# Altium PCB AD9361_EXT.PcbDoc (part 6 of 9) (continued)
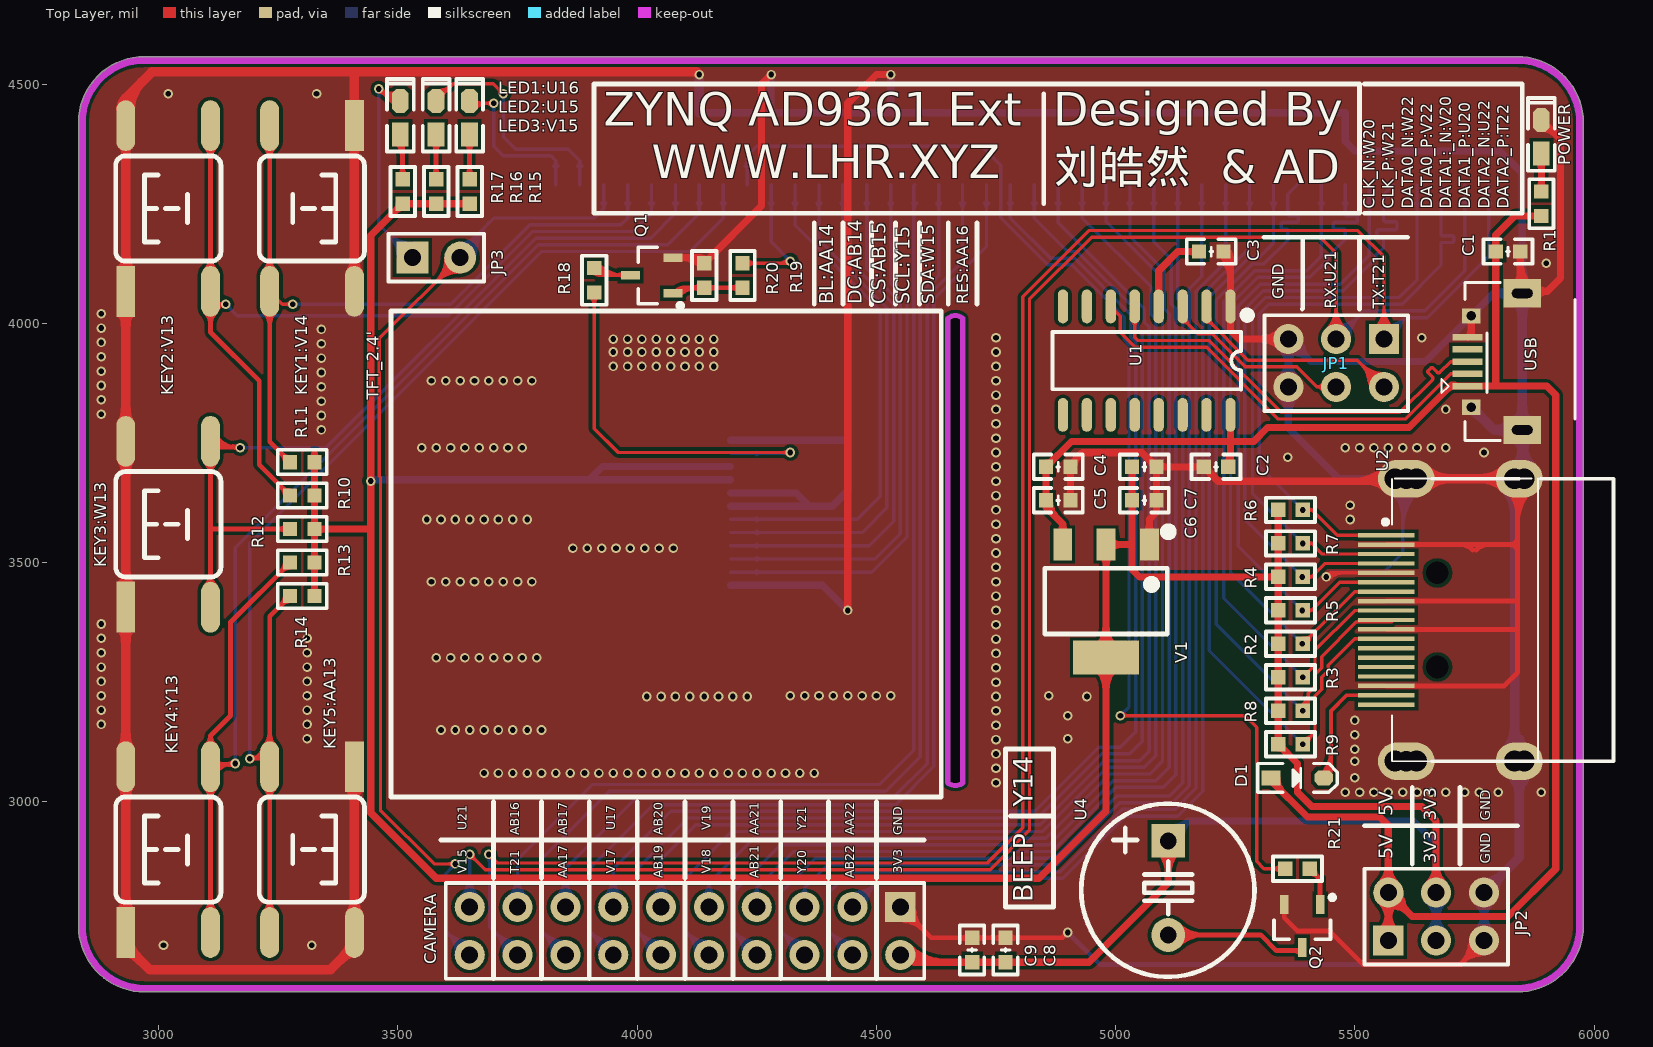
[diagram p0: Top Layer view]
## Nets (pads, with @x,y where several pads share a name; then routed paths per layer and width w, separated by ;. In a path a pad name is that pad's centre, name@x,y a point inside that pad or via, vN(x,y) a via of type N, cw(c..) or ccw(c..) an arc to the next point about the centre after c; other vN are vias at no path point) (continued)
IO_2: CAMERA.4 P1.58 | length 3348.5
  Bottom Layer w7: CAMERA.4@4450,2680 4400,2730 4400,2810 4444,2854 4884.2,2854 5014.2,2984 5124.2,2984 5168,3027.8 5168,4066.19 5230,4128.19 P1.58@5230,4290 ; 4402.21,2727.79 cw(c4354.42,2680) CAMERA.4@4422,2680 ; 4402.21,2727.79 ccw(c4450,2775.58) CAMERA.4@4450,2708 ; 4402.21,2727.79 cw(c4354.42,2680) CAMERA.4@4422,2680 ; 4402.21,2727.79 ccw(c4450,2775.58) CAMERA.4@4450,2708 ; 4402.21,2727.79 cw(c4354.42,2680) CAMERA.4@4422,2680 ; 4402.21,2727.79 ccw(c4450,2775.58) CAMERA.4@4450,2708 ; 4402.21,2727.79 cw(c4354.42,2680) CAMERA.4@4422,2680 ; 4402.21,2727.79 ccw(c4450,2775.58) CAMERA.4@4450,2708 ; 4414.16,2715.84 cw(c4378.32,2680) CAMERA.4@4429,2680 ; 4414.16,2715.84 ccw(c4450,2751.68) CAMERA.4@4450,2701 ; 4414.16,2715.84 cw(c4378.32,2680) CAMERA.4@4429,2680 ; 4414.16,2715.84 ccw(c4450,2751.68) CAMERA.4@4450,2701 ; 4414.16,2715.84 cw(c4378.32,2680) CAMERA.4@4429,2680 ; 4414.16,2715.84 ccw(c4450,2751.68) CAMERA.4@4450,2701 ; 4414.16,2715.84 cw(c4378.32,2680) CAMERA.4@4429,2680 ; 4414.16,2715.84 ccw(c4450,2751.68) CAMERA.4@4450,2701 ; 4426.11,2703.89 cw(c4402.21,2680) CAMERA.4@4436,2680 ; 4426.11,2703.89 ccw(c4450,2727.79) CAMERA.4@4450,2694 ; 4426.11,2703.89 cw(c4402.21,2680) CAMERA.4@4436,2680 ; 4426.11,2703.89 ccw(c4450,2727.79) CAMERA.4@4450,2694 ; 4426.11,2703.89 cw(c4402.21,2680) CAMERA.4@4436,2680 ; 4426.11,2703.89 ccw(c4450,2727.79) CAMERA.4@4450,2694 ; 4426.11,2703.89 cw(c4402.21,2680) CAMERA.4@4436,2680 ; 4426.11,2703.89 ccw(c4450,2727.79) CAMERA.4@4450,2694 ; P1.58@5225.52,4251.66 cw(c5214.69,4240.83) 5230,4240.83 ; P1.58@5225.52,4251.66 cw(c5214.69,4240.83) 5230,4240.83 ; P1.58@5225.52,4251.66 cw(c5214.69,4240.83) 5230,4240.83 ; P1.58@5225.52,4251.66 cw(c5214.69,4240.83) 5230,4240.83 ; 5230,4240.83 cw(c5245.31,4240.83) P1.58@5234.48,4251.66 ; 5230,4240.83 cw(c5245.31,4240.83) P1.58@5234.48,4251.66 ; 5230,4240.83 cw(c5245.31,4240.83) P1.58@5234.48,4251.66 ; 5230,4240.83 cw(c5245.31,4240.83) P1.58@5234.48,4251.66
IO_3: CAMERA.5 P1.56 | length 2438.3
  Bottom Layer w7: CAMERA.5@4350,2780 4350,2820 ; P1.56@5180,4290 5180,4097.99 5154,4071.99 5154,3033.6 5118.4,2998 5008.4,2998 4878.4,2868 4398,2868 4350,2820 ; CAMERA.5@4340.41,2806.3 ccw(c4335.42,2820) 4350,2820 ; CAMERA.5@4340.41,2806.3 ccw(c4335.42,2820) 4350,2820 ; CAMERA.5@4340.41,2806.3 ccw(c4335.42,2820) 4350,2820 ; CAMERA.5@4340.41,2806.3 ccw(c4335.42,2820) 4350,2820 ; 4350,2820 ccw(c4364.58,2820) CAMERA.5@4359.59,2806.3 ; 4350,2820 ccw(c4364.58,2820) CAMERA.5@4359.59,2806.3 ; 4350,2820 ccw(c4364.58,2820) CAMERA.5@4359.59,2806.3 ; 4350,2820 ccw(c4364.58,2820) CAMERA.5@4359.59,2806.3 ; P1.56@5175.52,4251.66 cw(c5164.69,4240.83) 5180,4240.83 ; P1.56@5175.52,4251.66 cw(c5164.69,4240.83) 5180,4240.83 ; P1.56@5175.52,4251.66 cw(c5164.69,4240.83) 5180,4240.83 ; P1.56@5175.52,4251.66 cw(c5164.69,4240.83) 5180,4240.83 ; 5180,4240.83 cw(c5195.31,4240.83) P1.56@5184.48,4251.66 ; 5180,4240.83 cw(c5195.31,4240.83) P1.56@5184.48,4251.66 ; 5180,4240.83 cw(c5195.31,4240.83) P1.56@5184.48,4251.66 ; 5180,4240.83 cw(c5195.31,4240.83) P1.56@5184.48,4251.66
IO_4: CAMERA.6 P1.54 | length 3391.8
  Bottom Layer w7: CAMERA.6@4350,2680 4300,2730 4300,2810 4372,2882 4872.6,2882 5002.6,3012 5112,3012 5140,3040 5140,4040 5130,4050 P1.54@5130,4290 ; 4302.21,2727.79 cw(c4254.42,2680) CAMERA.6@4322,2680 ; 4302.21,2727.79 ccw(c4350,2775.58) CAMERA.6@4350,2708 ; 4302.21,2727.79 cw(c4254.42,2680) CAMERA.6@4322,2680 ; 4302.21,2727.79 ccw(c4350,2775.58) CAMERA.6@4350,2708 ; 4302.21,2727.79 cw(c4254.42,2680) CAMERA.6@4322,2680 ; 4302.21,2727.79 ccw(c4350,2775.58) CAMERA.6@4350,2708 ; 4302.21,2727.79 cw(c4254.42,2680) CAMERA.6@4322,2680 ; 4302.21,2727.79 ccw(c4350,2775.58) CAMERA.6@4350,2708 ; 4314.16,2715.84 cw(c4278.32,2680) CAMERA.6@4329,2680 ; 4314.16,2715.84 ccw(c4350,2751.68) CAMERA.6@4350,2701 ; 4314.16,2715.84 cw(c4278.32,2680) CAMERA.6@4329,2680 ; 4314.16,2715.84 ccw(c4350,2751.68) CAMERA.6@4350,2701 ; 4314.16,2715.84 cw(c4278.32,2680) CAMERA.6@4329,2680 ; 4314.16,2715.84 ccw(c4350,2751.68) CAMERA.6@4350,2701 ; 4314.16,2715.84 cw(c4278.32,2680) CAMERA.6@4329,2680 ; 4314.16,2715.84 ccw(c4350,2751.68) CAMERA.6@4350,2701 ; 4326.11,2703.89 cw(c4302.21,2680) CAMERA.6@4336,2680 ; 4326.11,2703.89 ccw(c4350,2727.79) CAMERA.6@4350,2694 ; 4326.11,2703.89 cw(c4302.21,2680) CAMERA.6@4336,2680 ; 4326.11,2703.89 ccw(c4350,2727.79) CAMERA.6@4350,2694 ; 4326.11,2703.89 cw(c4302.21,2680) CAMERA.6@4336,2680 ; 4326.11,2703.89 ccw(c4350,2727.79) CAMERA.6@4350,2694 ; 4326.11,2703.89 cw(c4302.21,2680) CAMERA.6@4336,2680 ; 4326.11,2703.89 ccw(c4350,2727.79) CAMERA.6@4350,2694 ; P1.54@5125.52,4251.66 cw(c5114.69,4240.83) 5130,4240.83 ; P1.54@5125.52,4251.66 cw(c5114.69,4240.83) 5130,4240.83 ; P1.54@5125.52,4251.66 cw(c5114.69,4240.83) 5130,4240.83 ; P1.54@5125.52,4251.66 cw(c5114.69,4240.83) 5130,4240.83 ; 5130,4240.83 cw(c5145.31,4240.83) P1.54@5134.48,4251.66 ; 5130,4240.83 cw(c5145.31,4240.83) P1.54@5134.48,4251.66 ; 5130,4240.83 cw(c5145.31,4240.83) P1.54@5134.48,4251.66 ; 5130,4240.83 cw(c5145.31,4240.83) P1.54@5134.48,4251.66
IO_5: CAMERA.7 P1.52 | length 2505.4
  Bottom Layer w7: CAMERA.7@4250,2780 4250,2820 ; P1.52@5080,4290 5080,4170 5116,4134 5116,4040 5126,4030 5126,3056 5100,3030 5000.8,3030 4866.8,2896 4326,2896 4250,2820 ; CAMERA.7@4240.41,2806.3 ccw(c4235.42,2820) 4250,2820 ; CAMERA.7@4240.41,2806.3 ccw(c4235.42,2820) 4250,2820 ; CAMERA.7@4240.41,2806.3 ccw(c4235.42,2820) 4250,2820 ; CAMERA.7@4240.41,2806.3 ccw(c4235.42,2820) 4250,2820 ; 4250,2820 ccw(c4264.58,2820) CAMERA.7@4259.59,2806.3 ; 4250,2820 ccw(c4264.58,2820) CAMERA.7@4259.59,2806.3 ; 4250,2820 ccw(c4264.58,2820) CAMERA.7@4259.59,2806.3 ; 4250,2820 ccw(c4264.58,2820) CAMERA.7@4259.59,2806.3 ; P1.52@5075.52,4251.66 cw(c5064.69,4240.83) 5080,4240.83 ; P1.52@5075.52,4251.66 cw(c5064.69,4240.83) 5080,4240.83 ; P1.52@5075.52,4251.66 cw(c5064.69,4240.83) 5080,4240.83 ; P1.52@5075.52,4251.66 cw(c5064.69,4240.83) 5080,4240.83 ; 5080,4240.83 cw(c5095.31,4240.83) P1.52@5084.48,4251.66 ; 5080,4240.83 cw(c5095.31,4240.83) P1.52@5084.48,4251.66 ; 5080,4240.83 cw(c5095.31,4240.83) P1.52@5084.48,4251.66 ; 5080,4240.83 cw(c5095.31,4240.83) P1.52@5084.48,4251.66
IO_6: CAMERA.8 P1.50 | length 3474.9
  Bottom Layer w7: CAMERA.8@4250,2680 4200,2730 4200,2810 4300,2910 4861.01,2910 4995.01,3044 5084,3044 5112,3072 5112,4020 5102,4030 5102,4110 5030,4182 P1.50@5030,4290 ; 4202.21,2727.79 cw(c4154.42,2680) CAMERA.8@4222,2680 ; 4202.21,2727.79 ccw(c4250,2775.58) CAMERA.8@4250,2708 ; 4202.21,2727.79 cw(c4154.42,2680) CAMERA.8@4222,2680 ; 4202.21,2727.79 ccw(c4250,2775.58) CAMERA.8@4250,2708 ; 4202.21,2727.79 cw(c4154.42,2680) CAMERA.8@4222,2680 ; 4202.21,2727.79 ccw(c4250,2775.58) CAMERA.8@4250,2708 ; 4202.21,2727.79 cw(c4154.42,2680) CAMERA.8@4222,2680 ; 4202.21,2727.79 ccw(c4250,2775.58) CAMERA.8@4250,2708 ; 4214.16,2715.84 cw(c4178.32,2680) CAMERA.8@4229,2680 ; 4214.16,2715.84 ccw(c4250,2751.68) CAMERA.8@4250,2701 ; 4214.16,2715.84 cw(c4178.32,2680) CAMERA.8@4229,2680 ; 4214.16,2715.84 ccw(c4250,2751.68) CAMERA.8@4250,2701 ; 4214.16,2715.84 cw(c4178.32,2680) CAMERA.8@4229,2680 ; 4214.16,2715.84 ccw(c4250,2751.68) CAMERA.8@4250,2701 ; 4214.16,2715.84 cw(c4178.32,2680) CAMERA.8@4229,2680 ; 4214.16,2715.84 ccw(c4250,2751.68) CAMERA.8@4250,2701 ; 4226.11,2703.89 cw(c4202.21,2680) CAMERA.8@4236,2680 ; 4226.11,2703.89 ccw(c4250,2727.79) CAMERA.8@4250,2694 ; 4226.11,2703.89 cw(c4202.21,2680) CAMERA.8@4236,2680 ; 4226.11,2703.89 ccw(c4250,2727.79) CAMERA.8@4250,2694 ; 4226.11,2703.89 cw(c4202.21,2680) CAMERA.8@4236,2680 ; 4226.11,2703.89 ccw(c4250,2727.79) CAMERA.8@4250,2694 ; 4226.11,2703.89 cw(c4202.21,2680) CAMERA.8@4236,2680 ; 4226.11,2703.89 ccw(c4250,2727.79) CAMERA.8@4250,2694 ; P1.50@5025.52,4251.66 cw(c5014.69,4240.83) 5030,4240.83 ; P1.50@5025.52,4251.66 cw(c5014.69,4240.83) 5030,4240.83 ; P1.50@5025.52,4251.66 cw(c5014.69,4240.83) 5030,4240.83 ; P1.50@5025.52,4251.66 cw(c5014.69,4240.83) 5030,4240.83 ; 5030,4240.83 cw(c5045.31,4240.83) P1.50@5034.48,4251.66 ; 5030,4240.83 cw(c5045.31,4240.83) P1.50@5034.48,4251.66 ; 5030,4240.83 cw(c5045.31,4240.83) P1.50@5034.48,4251.66 ; 5030,4240.83 cw(c5045.31,4240.83) P1.50@5034.48,4251.66
IO_7: CAMERA.9 P1.48 | length 2891.9
  Bottom Layer w7: CAMERA.9@4150,2780 4150,2830 ; P1.48@4980,4290 4980,4212.2 5088,4104.2 5088,4024.2 5098,4014.2 5098,3084.72 5071.28,3058 4988,3058 4854,2924 4244,2924 4150,2830 ; CAMERA.9@4135.37,2803.87 ccw(c4119.35,2830) 4150,2830 ; CAMERA.9@4135.37,2803.87 ccw(c4119.35,2830) 4150,2830 ; CAMERA.9@4135.37,2803.87 ccw(c4119.35,2830) 4150,2830 ; CAMERA.9@4135.37,2803.87 ccw(c4119.35,2830) 4150,2830 ; CAMERA.9@4139.03,2797.9 ccw(c4127.02,2817.5) 4150,2817.5 ; CAMERA.9@4139.03,2797.9 ccw(c4127.02,2817.5) 4150,2817.5 ; CAMERA.9@4139.03,2797.9 ccw(c4127.02,2817.5) 4150,2817.5 ; CAMERA.9@4139.03,2797.9 ccw(c4127.02,2817.5) 4150,2817.5 ; 4150,2817.5 ccw(c4172.98,2817.5) CAMERA.9@4160.97,2797.9 ; 4150,2817.5 ccw(c4172.98,2817.5) CAMERA.9@4160.97,2797.9 ; 4150,2817.5 ccw(c4172.98,2817.5) CAMERA.9@4160.97,2797.9 ; 4150,2817.5 ccw(c4172.98,2817.5) CAMERA.9@4160.97,2797.9 ; 4150,2830 ccw(c4180.65,2830) CAMERA.9@4164.63,2803.87 ; 4150,2830 ccw(c4180.65,2830) CAMERA.9@4164.63,2803.87 ; 4150,2830 ccw(c4180.65,2830) CAMERA.9@4164.63,2803.87 ; 4150,2830 ccw(c4180.65,2830) CAMERA.9@4164.63,2803.87 ; P1.48@4975.52,4251.66 cw(c4964.69,4240.83) 4980,4240.83 ; P1.48@4975.52,4251.66 cw(c4964.69,4240.83) 4980,4240.83 ; P1.48@4975.52,4251.66 cw(c4964.69,4240.83) 4980,4240.83 ; P1.48@4975.52,4251.66 cw(c4964.69,4240.83) 4980,4240.83 ; 4980,4240.83 cw(c4995.31,4240.83) P1.48@4984.48,4251.66 ; 4980,4240.83 cw(c4995.31,4240.83) P1.48@4984.48,4251.66 ; 4980,4240.83 cw(c4995.31,4240.83) P1.48@4984.48,4251.66 ; 4980,4240.83 cw(c4995.31,4240.83) P1.48@4984.48,4251.66
IO_8: CAMERA.10 P1.46 | length 3580.2
  Bottom Layer w7: CAMERA.10@4150,2680 4100,2730 4100,2840 4198,2938 4848.2,2938 4982.2,3072 5060,3072 5084,3096 5084,4008.4 5074,4018.4 5074,4076 4930,4220 P1.46@4930,4290 ; 4102.21,2727.79 cw(c4054.42,2680) CAMERA.10@4122,2680 ; 4102.21,2727.79 ccw(c4150,2775.58) CAMERA.10@4150,2708 ; 4102.21,2727.79 cw(c4054.42,2680) CAMERA.10@4122,2680 ; 4102.21,2727.79 ccw(c4150,2775.58) CAMERA.10@4150,2708 ; 4102.21,2727.79 cw(c4054.42,2680) CAMERA.10@4122,2680 ; 4102.21,2727.79 ccw(c4150,2775.58) CAMERA.10@4150,2708 ; 4102.21,2727.79 cw(c4054.42,2680) CAMERA.10@4122,2680 ; 4102.21,2727.79 ccw(c4150,2775.58) CAMERA.10@4150,2708 ; 4114.16,2715.84 cw(c4078.32,2680) CAMERA.10@4129,2680 ; 4114.16,2715.84 ccw(c4150,2751.68) CAMERA.10@4150,2701 ; 4114.16,2715.84 cw(c4078.32,2680) CAMERA.10@4129,2680 ; 4114.16,2715.84 ccw(c4150,2751.68) CAMERA.10@4150,2701 ; 4114.16,2715.84 cw(c4078.32,2680) CAMERA.10@4129,2680 ; 4114.16,2715.84 ccw(c4150,2751.68) CAMERA.10@4150,2701 ; 4114.16,2715.84 cw(c4078.32,2680) CAMERA.10@4129,2680 ; 4114.16,2715.84 ccw(c4150,2751.68) CAMERA.10@4150,2701 ; 4126.11,2703.89 cw(c4102.21,2680) CAMERA.10@4136,2680 ; 4126.11,2703.89 ccw(c4150,2727.79) CAMERA.10@4150,2694 ; 4126.11,2703.89 cw(c4102.21,2680) CAMERA.10@4136,2680 ; 4126.11,2703.89 ccw(c4150,2727.79) CAMERA.10@4150,2694 ; 4126.11,2703.89 cw(c4102.21,2680) CAMERA.10@4136,2680 ; 4126.11,2703.89 ccw(c4150,2727.79) CAMERA.10@4150,2694 ; 4126.11,2703.89 cw(c4102.21,2680) CAMERA.10@4136,2680 ; 4126.11,2703.89 ccw(c4150,2727.79) CAMERA.10@4150,2694 ; P1.46@4925.52,4251.66 cw(c4914.69,4240.83) 4930,4240.83 ; P1.46@4925.52,4251.66 cw(c4914.69,4240.83) 4930,4240.83 ; P1.46@4925.52,4251.66 cw(c4914.69,4240.83) 4930,4240.83 ; P1.46@4925.52,4251.66 cw(c4914.69,4240.83) 4930,4240.83 ; 4930,4240.83 cw(c4945.31,4240.83) P1.46@4934.48,4251.66 ; 4930,4240.83 cw(c4945.31,4240.83) P1.46@4934.48,4251.66 ; 4930,4240.83 cw(c4945.31,4240.83) P1.46@4934.48,4251.66 ; 4930,4240.83 cw(c4945.31,4240.83) P1.46@4934.48,4251.66
IO_9: CAMERA.11 P1.44 | length 3528
  Bottom Layer w7: CAMERA.11@4050,2780 4050,2880 4122,2952 4842.4,2952 4976.4,3086 5050,3086 5070,3106 5070,3992.6 5060,4002.6 5060,4030 4880,4210 P1.44@4880,4290 ; CAMERA.11@4030.2,2799.8 ccw(c3982.41,2847.59) 4050,2847.59 ; CAMERA.11@4030.2,2799.8 ccw(c3982.41,2847.59) 4050,2847.59 ; CAMERA.11@4030.2,2799.8 ccw(c3982.41,2847.59) 4050,2847.59 ; CAMERA.11@4030.2,2799.8 ccw(c3982.41,2847.59) 4050,2847.59 ; CAMERA.11@4035.15,2794.85 ccw(c3999.31,2830.69) 4050,2830.69 ; CAMERA.11@4035.15,2794.85 ccw(c3999.31,2830.69) 4050,2830.69 ; CAMERA.11@4035.15,2794.85 ccw(c3999.31,2830.69) 4050,2830.69 ; CAMERA.11@4035.15,2794.85 ccw(c3999.31,2830.69) 4050,2830.69 ; CAMERA.11@4040.1,2789.9 ccw(c4016.21,2813.79) 4050,2813.79 ; CAMERA.11@4040.1,2789.9 ccw(c4016.21,2813.79) 4050,2813.79 ; CAMERA.11@4040.1,2789.9 ccw(c4016.21,2813.79) 4050,2813.79 ; CAMERA.11@4040.1,2789.9 ccw(c4016.21,2813.79) 4050,2813.79 ; 4050,2813.79 ccw(c4083.79,2813.79) CAMERA.11@4059.9,2789.9 ; 4050,2813.79 ccw(c4083.79,2813.79) CAMERA.11@4059.9,2789.9 ; 4050,2813.79 ccw(c4083.79,2813.79) CAMERA.11@4059.9,2789.9 ; 4050,2813.79 ccw(c4083.79,2813.79) CAMERA.11@4059.9,2789.9 ; 4050,2830.69 ccw(c4100.69,2830.69) CAMERA.11@4064.85,2794.85 ; 4050,2830.69 ccw(c4100.69,2830.69) CAMERA.11@4064.85,2794.85 ; 4050,2830.69 ccw(c4100.69,2830.69) CAMERA.11@4064.85,2794.85 ; 4050,2830.69 ccw(c4100.69,2830.69) CAMERA.11@4064.85,2794.85 ; 4050,2847.59 ccw(c4117.59,2847.59) CAMERA.11@4069.8,2799.8 ; 4050,2847.59 ccw(c4117.59,2847.59) CAMERA.11@4069.8,2799.8 ; 4050,2847.59 ccw(c4117.59,2847.59) CAMERA.11@4069.8,2799.8 ; 4050,2847.59 ccw(c4117.59,2847.59) CAMERA.11@4069.8,2799.8 ; P1.44@4875.52,4251.66 cw(c4864.69,4240.83) 4880,4240.83 ; P1.44@4875.52,4251.66 cw(c4864.69,4240.83) 4880,4240.83 ; P1.44@4875.52,4251.66 cw(c4864.69,4240.83) 4880,4240.83 ; P1.44@4875.52,4251.66 cw(c4864.69,4240.83) 4880,4240.83 ; 4880,4240.83 cw(c4895.31,4240.83) P1.44@4884.48,4251.66 ; 4880,4240.83 cw(c4895.31,4240.83) P1.44@4884.48,4251.66 ; 4880,4240.83 cw(c4895.31,4240.83) P1.44@4884.48,4251.66 ; 4880,4240.83 cw(c4895.31,4240.83) P1.44@4884.48,4251.66
IO_10: CAMERA.12 P1.42 | length 3687.8
  Bottom Layer w7: CAMERA.12@4050,2680 4000,2730 4000,2860 4106,2966 4836.6,2966 4970.6,3100 5029.64,3100 5056,3126.36 5056,3976.8 5046,3986.8 5046,4024.2 4920.1,4150.1 4899.9,4150.1 4830,4220 P1.42@4830,4290 ; 4002.21,2727.79 cw(c3954.42,2680) CAMERA.12@4022,2680 ; 4002.21,2727.79 ccw(c4050,2775.58) CAMERA.12@4050,2708 ; 4002.21,2727.79 cw(c3954.42,2680) CAMERA.12@4022,2680 ; 4002.21,2727.79 ccw(c4050,2775.58) CAMERA.12@4050,2708 ; 4002.21,2727.79 cw(c3954.42,2680) CAMERA.12@4022,2680 ; 4002.21,2727.79 ccw(c4050,2775.58) CAMERA.12@4050,2708 ; 4002.21,2727.79 cw(c3954.42,2680) CAMERA.12@4022,2680 ; 4002.21,2727.79 ccw(c4050,2775.58) CAMERA.12@4050,2708 ; 4014.16,2715.84 cw(c3978.32,2680) CAMERA.12@4029,2680 ; 4014.16,2715.84 ccw(c4050,2751.68) CAMERA.12@4050,2701 ; 4014.16,2715.84 cw(c3978.32,2680) CAMERA.12@4029,2680 ; 4014.16,2715.84 ccw(c4050,2751.68) CAMERA.12@4050,2701 ; 4014.16,2715.84 cw(c3978.32,2680) CAMERA.12@4029,2680 ; 4014.16,2715.84 ccw(c4050,2751.68) CAMERA.12@4050,2701 ; 4014.16,2715.84 cw(c3978.32,2680) CAMERA.12@4029,2680 ; 4014.16,2715.84 ccw(c4050,2751.68) CAMERA.12@4050,2701 ; 4026.11,2703.89 cw(c4002.21,2680) CAMERA.12@4036,2680 ; 4026.11,2703.89 ccw(c4050,2727.79) CAMERA.12@4050,2694 ; 4026.11,2703.89 cw(c4002.21,2680) CAMERA.12@4036,2680 ; 4026.11,2703.89 ccw(c4050,2727.79) CAMERA.12@4050,2694 ; 4026.11,2703.89 cw(c4002.21,2680) CAMERA.12@4036,2680 ; 4026.11,2703.89 ccw(c4050,2727.79) CAMERA.12@4050,2694 ; 4026.11,2703.89 cw(c4002.21,2680) CAMERA.12@4036,2680 ; 4026.11,2703.89 ccw(c4050,2727.79) CAMERA.12@4050,2694 ; P1.42@4825.52,4251.66 cw(c4814.69,4240.83) 4830,4240.83 ; P1.42@4825.52,4251.66 cw(c4814.69,4240.83) 4830,4240.83 ; P1.42@4825.52,4251.66 cw(c4814.69,4240.83) 4830,4240.83 ; P1.42@4825.52,4251.66 cw(c4814.69,4240.83) 4830,4240.83 ; 4830,4240.83 cw(c4845.31,4240.83) P1.42@4834.48,4251.66 ; 4830,4240.83 cw(c4845.31,4240.83) P1.42@4834.48,4251.66 ; 4830,4240.83 cw(c4845.31,4240.83) P1.42@4834.48,4251.66 ; 4830,4240.83 cw(c4845.31,4240.83) P1.42@4834.48,4251.66
IO_11: CAMERA.13 P1.40 | length 3624.2
  Bottom Layer w7: CAMERA.13@3950,2780 3950,2860 4070,2980 4830.8,2980 4964.8,3114 5010,3114 5042,3146 5042,3961.01 5032,3971.01 5032,4018.4 4914.3,4136.1 4863.9,4136.1 4780,4220 P1.40@4780,4290 ; CAMERA.13@3930.2,2799.8 ccw(c3882.41,2847.59) 3950,2847.59 ; CAMERA.13@3930.2,2799.8 ccw(c3882.41,2847.59) 3950,2847.59 ; CAMERA.13@3930.2,2799.8 ccw(c3882.41,2847.59) 3950,2847.59 ; CAMERA.13@3930.2,2799.8 ccw(c3882.41,2847.59) 3950,2847.59 ; CAMERA.13@3935.15,2794.85 ccw(c3899.31,2830.69) 3950,2830.69 ; CAMERA.13@3935.15,2794.85 ccw(c3899.31,2830.69) 3950,2830.69 ; CAMERA.13@3935.15,2794.85 ccw(c3899.31,2830.69) 3950,2830.69 ; CAMERA.13@3935.15,2794.85 ccw(c3899.31,2830.69) 3950,2830.69 ; CAMERA.13@3940.1,2789.9 ccw(c3916.21,2813.79) 3950,2813.79 ; CAMERA.13@3940.1,2789.9 ccw(c3916.21,2813.79) 3950,2813.79 ; CAMERA.13@3940.1,2789.9 ccw(c3916.21,2813.79) 3950,2813.79 ; CAMERA.13@3940.1,2789.9 ccw(c3916.21,2813.79) 3950,2813.79 ; 3950,2813.79 ccw(c3983.79,2813.79) CAMERA.13@3959.9,2789.9 ; 3950,2813.79 ccw(c3983.79,2813.79) CAMERA.13@3959.9,2789.9 ; 3950,2813.79 ccw(c3983.79,2813.79) CAMERA.13@3959.9,2789.9 ; 3950,2813.79 ccw(c3983.79,2813.79) CAMERA.13@3959.9,2789.9 ; 3950,2830.69 ccw(c4000.69,2830.69) CAMERA.13@3964.85,2794.85 ; 3950,2830.69 ccw(c4000.69,2830.69) CAMERA.13@3964.85,2794.85 ; 3950,2830.69 ccw(c4000.69,2830.69) CAMERA.13@3964.85,2794.85 ; 3950,2830.69 ccw(c4000.69,2830.69) CAMERA.13@3964.85,2794.85 ; 3950,2847.59 ccw(c4017.59,2847.59) CAMERA.13@3969.8,2799.8 ; 3950,2847.59 ccw(c4017.59,2847.59) CAMERA.13@3969.8,2799.8 ; 3950,2847.59 ccw(c4017.59,2847.59) CAMERA.13@3969.8,2799.8 ; 3950,2847.59 ccw(c4017.59,2847.59) CAMERA.13@3969.8,2799.8 ; P1.40@4775.52,4251.66 cw(c4764.69,4240.83) 4780,4240.83 ; P1.40@4775.52,4251.66 cw(c4764.69,4240.83) 4780,4240.83 ; P1.40@4775.52,4251.66 cw(c4764.69,4240.83) 4780,4240.83 ; P1.40@4775.52,4251.66 cw(c4764.69,4240.83) 4780,4240.83 ; 4780,4240.83 cw(c4795.31,4240.83) P1.40@4784.48,4251.66 ; 4780,4240.83 cw(c4795.31,4240.83) P1.40@4784.48,4251.66 ; 4780,4240.83 cw(c4795.31,4240.83) P1.40@4784.48,4251.66 ; 4780,4240.83 cw(c4795.31,4240.83) P1.40@4784.48,4251.66
IO_12: CAMERA.14 P1.38 | length 3322.6
  Bottom Layer w7: CAMERA.14@3950,2680 3900,2730 3900,2860 4034,2994 4540,2994 4620,3074 4620,4050 4730,4160 P1.38@4730,4290 ; 3902.21,2727.79 cw(c3854.42,2680) CAMERA.14@3922,2680 ; 3902.21,2727.79 ccw(c3950,2775.58) CAMERA.14@3950,2708 ; 3902.21,2727.79 cw(c3854.42,2680) CAMERA.14@3922,2680 ; 3902.21,2727.79 ccw(c3950,2775.58) CAMERA.14@3950,2708 ; 3902.21,2727.79 cw(c3854.42,2680) CAMERA.14@3922,2680 ; 3902.21,2727.79 ccw(c3950,2775.58) CAMERA.14@3950,2708 ; 3902.21,2727.79 cw(c3854.42,2680) CAMERA.14@3922,2680 ; 3902.21,2727.79 ccw(c3950,2775.58) CAMERA.14@3950,2708 ; 3914.16,2715.84 cw(c3878.32,2680) CAMERA.14@3929,2680 ; 3914.16,2715.84 ccw(c3950,2751.68) CAMERA.14@3950,2701 ; 3914.16,2715.84 cw(c3878.32,2680) CAMERA.14@3929,2680 ; 3914.16,2715.84 ccw(c3950,2751.68) CAMERA.14@3950,2701 ; 3914.16,2715.84 cw(c3878.32,2680) CAMERA.14@3929,2680 ; 3914.16,2715.84 ccw(c3950,2751.68) CAMERA.14@3950,2701 ; 3914.16,2715.84 cw(c3878.32,2680) CAMERA.14@3929,2680 ; 3914.16,2715.84 ccw(c3950,2751.68) CAMERA.14@3950,2701 ; 3926.11,2703.89 cw(c3902.21,2680) CAMERA.14@3936,2680 ; 3926.11,2703.89 ccw(c3950,2727.79) CAMERA.14@3950,2694 ; 3926.11,2703.89 cw(c3902.21,2680) CAMERA.14@3936,2680 ; 3926.11,2703.89 ccw(c3950,2727.79) CAMERA.14@3950,2694 ; 3926.11,2703.89 cw(c3902.21,2680) CAMERA.14@3936,2680 ; 3926.11,2703.89 ccw(c3950,2727.79) CAMERA.14@3950,2694 ; 3926.11,2703.89 cw(c3902.21,2680) CAMERA.14@3936,2680 ; 3926.11,2703.89 ccw(c3950,2727.79) CAMERA.14@3950,2694 ; P1.38@4725.52,4251.66 cw(c4714.69,4240.83) 4730,4240.83 ; P1.38@4725.52,4251.66 cw(c4714.69,4240.83) 4730,4240.83 ; P1.38@4725.52,4251.66 cw(c4714.69,4240.83) 4730,4240.83 ; P1.38@4725.52,4251.66 cw(c4714.69,4240.83) 4730,4240.83 ; 4730,4240.83 cw(c4745.31,4240.83) P1.38@4734.48,4251.66 ; 4730,4240.83 cw(c4745.31,4240.83) P1.38@4734.48,4251.66 ; 4730,4240.83 cw(c4745.31,4240.83) P1.38@4734.48,4251.66 ; 4730,4240.83 cw(c4745.31,4240.83) P1.38@4734.48,4251.66
IO_13: CAMERA.15 P1.36 | length 3219.6
  Bottom Layer w7: CAMERA.15@3850,2780 3850,2860 3998,3008 4534.2,3008 4606,3079.8 4606,4055.8 4680,4129.8 P1.36@4680,4290 ; CAMERA.15@3830.2,2799.8 ccw(c3782.41,2847.59) 3850,2847.59 ; CAMERA.15@3830.2,2799.8 ccw(c3782.41,2847.59) 3850,2847.59 ; CAMERA.15@3830.2,2799.8 ccw(c3782.41,2847.59) 3850,2847.59 ; CAMERA.15@3830.2,2799.8 ccw(c3782.41,2847.59) 3850,2847.59 ; CAMERA.15@3835.15,2794.85 ccw(c3799.31,2830.69) 3850,2830.69 ; CAMERA.15@3835.15,2794.85 ccw(c3799.31,2830.69) 3850,2830.69 ; CAMERA.15@3835.15,2794.85 ccw(c3799.31,2830.69) 3850,2830.69 ; CAMERA.15@3835.15,2794.85 ccw(c3799.31,2830.69) 3850,2830.69 ; CAMERA.15@3840.1,2789.9 ccw(c3816.21,2813.79) 3850,2813.79 ; CAMERA.15@3840.1,2789.9 ccw(c3816.21,2813.79) 3850,2813.79 ; CAMERA.15@3840.1,2789.9 ccw(c3816.21,2813.79) 3850,2813.79 ; CAMERA.15@3840.1,2789.9 ccw(c3816.21,2813.79) 3850,2813.79 ; 3850,2813.79 ccw(c3883.79,2813.79) CAMERA.15@3859.9,2789.9 ; 3850,2813.79 ccw(c3883.79,2813.79) CAMERA.15@3859.9,2789.9 ; 3850,2813.79 ccw(c3883.79,2813.79) CAMERA.15@3859.9,2789.9 ; 3850,2813.79 ccw(c3883.79,2813.79) CAMERA.15@3859.9,2789.9 ; 3850,2830.69 ccw(c3900.69,2830.69) CAMERA.15@3864.85,2794.85 ; 3850,2830.69 ccw(c3900.69,2830.69) CAMERA.15@3864.85,2794.85 ; 3850,2830.69 ccw(c3900.69,2830.69) CAMERA.15@3864.85,2794.85 ; 3850,2830.69 ccw(c3900.69,2830.69) CAMERA.15@3864.85,2794.85 ; 3850,2847.59 ccw(c3917.59,2847.59) CAMERA.15@3869.8,2799.8 ; 3850,2847.59 ccw(c3917.59,2847.59) CAMERA.15@3869.8,2799.8 ; 3850,2847.59 ccw(c3917.59,2847.59) CAMERA.15@3869.8,2799.8 ; 3850,2847.59 ccw(c3917.59,2847.59) CAMERA.15@3869.8,2799.8 ; P1.36@4675.52,4251.66 cw(c4664.69,4240.83) 4680,4240.83 ; P1.36@4675.52,4251.66 cw(c4664.69,4240.83) 4680,4240.83 ; P1.36@4675.52,4251.66 cw(c4664.69,4240.83) 4680,4240.83 ; P1.36@4675.52,4251.66 cw(c4664.69,4240.83) 4680,4240.83 ; 4680,4240.83 cw(c4695.31,4240.83) P1.36@4684.48,4251.66 ; 4680,4240.83 cw(c4695.31,4240.83) P1.36@4684.48,4251.66 ; 4680,4240.83 cw(c4695.31,4240.83) P1.36@4684.48,4251.66 ; 4680,4240.83 cw(c4695.31,4240.83) P1.36@4684.48,4251.66
IO_14: CAMERA.16 P1.34 | length 3364.8
  Bottom Layer w7: CAMERA.16@3850,2680 3800,2730 3800,2880 3942,3022 4520,3022 4592,3094 4592,4061.6 4630,4099.6 P1.34@4630,4290 ; 3802.21,2727.79 cw(c3754.42,2680) CAMERA.16@3822,2680 ; 3802.21,2727.79 ccw(c3850,2775.58) CAMERA.16@3850,2708 ; 3802.21,2727.79 cw(c3754.42,2680) CAMERA.16@3822,2680 ; 3802.21,2727.79 ccw(c3850,2775.58) CAMERA.16@3850,2708 ; 3802.21,2727.79 cw(c3754.42,2680) CAMERA.16@3822,2680 ; 3802.21,2727.79 ccw(c3850,2775.58) CAMERA.16@3850,2708 ; 3802.21,2727.79 cw(c3754.42,2680) CAMERA.16@3822,2680 ; 3802.21,2727.79 ccw(c3850,2775.58) CAMERA.16@3850,2708 ; 3814.16,2715.84 cw(c3778.32,2680) CAMERA.16@3829,2680 ; 3814.16,2715.84 ccw(c3850,2751.68) CAMERA.16@3850,2701 ; 3814.16,2715.84 cw(c3778.32,2680) CAMERA.16@3829,2680 ; 3814.16,2715.84 ccw(c3850,2751.68) CAMERA.16@3850,2701 ; 3814.16,2715.84 cw(c3778.32,2680) CAMERA.16@3829,2680 ; 3814.16,2715.84 ccw(c3850,2751.68) CAMERA.16@3850,2701 ; 3814.16,2715.84 cw(c3778.32,2680) CAMERA.16@3829,2680 ; 3814.16,2715.84 ccw(c3850,2751.68) CAMERA.16@3850,2701 ; 3826.11,2703.89 cw(c3802.21,2680) CAMERA.16@3836,2680 ; 3826.11,2703.89 ccw(c3850,2727.79) CAMERA.16@3850,2694 ; 3826.11,2703.89 cw(c3802.21,2680) CAMERA.16@3836,2680 ; 3826.11,2703.89 ccw(c3850,2727.79) CAMERA.16@3850,2694 ; 3826.11,2703.89 cw(c3802.21,2680) CAMERA.16@3836,2680 ; 3826.11,2703.89 ccw(c3850,2727.79) CAMERA.16@3850,2694 ; 3826.11,2703.89 cw(c3802.21,2680) CAMERA.16@3836,2680 ; 3826.11,2703.89 ccw(c3850,2727.79) CAMERA.16@3850,2694 ; P1.34@4625.52,4251.66 cw(c4614.69,4240.83) 4630,4240.83 ; P1.34@4625.52,4251.66 cw(c4614.69,4240.83) 4630,4240.83 ; P1.34@4625.52,4251.66 cw(c4614.69,4240.83) 4630,4240.83 ; P1.34@4625.52,4251.66 cw(c4614.69,4240.83) 4630,4240.83 ; 4630,4240.83 cw(c4645.31,4240.83) P1.34@4634.48,4251.66 ; 4630,4240.83 cw(c4645.31,4240.83) P1.34@4634.48,4251.66 ; 4630,4240.83 cw(c4645.31,4240.83) P1.34@4634.48,4251.66 ; 4630,4240.83 cw(c4645.31,4240.83) P1.34@4634.48,4251.66